# KiCad board AMLDC-2044B p3.kicad_pcb (continued)
## Routing (per net, layer and track width the routed paths; a pad name or vN(x,y) marks a point on that pad's centre or on a via; arc(x,y) is an arc through that point) (continued)
141.08,186.07 140.96,197.93 140.6,198.29 v1(140.6,199.74) ; v1(330.64,108.85) 331.13,107.41 331.2,105.56 330.82,90.05 v1(330.58,87.39) ; v1(172.28,181.72) 172.95,179.48 172.94,152.41 ; v1(132.44,335.26) 132.75,333.88 133.52,332.05 134.33,329.17 134.7,327.78 134.89,326.05 135.16,324.75 135.27,314.03 135.44,310.37 135.47,295.12 135.07,289.29 135.16,286.63 134.92,283.88 134.79,278.38 134.74,277.5 134.45,271.8 ; v1(322.65,344.27) 322.82,342.8 323.13,340.47 323.2,301.42 323.4,292.69 323.97,277.18 324.63,265.64 325.28,245.23 325.41,242.63 325.64,236.18 325.68,235.71 325.94,229.97 327.43,210.1 327.73,205.98 327.65,202.85 327.62,198.13 327.78,192.85 327.69,187.92 327.65,185.01 327.65,175.55 327.72,174.77 327.64,170.81 327.72,163.57 327.65,153.41 327.7,152.02 327.56,142.04 327.57,141.07 327.57,140.47 327.49,126.89 327.14,124.28 326.6,120.8 326.18,119.23 325.41,114.35 324.66,111.86 324.18,107.35 324.19,106.49 324.24,103.26 323.59,100.25 323.19,98.21 323.11,97.39 322.74,96.06 322.79,90.95 322.87,85.37 322.73,72.71 ; v1(404.6,293.21) 404.79,295.14 404.74,295.99 404.77,296.72 405.46,298.57 406.38,300.05 406.78,301.15 406.96,302.68 406.85,304.05 406.7,304.72 406.17,307.24 405.82,308.48 405.69,309.68 405.55,310.51 405.4,311.5 405.32,312.77 405.31,313.62 405.28,315.32 v1(405.18,316.14) ; v1(223.82,277.04) 224.06,251.29 v1(223.86,245.48) ; 138.87,328.46 138.47,331.61 137.8,333.44 136.98,336 135.81,339.23 134.8,342.88 133.77,345.21 133.33,346.97 132.62,348.78 131.88,350.8 v1(131.51,351.98) ; 333.29,70.41 333.33,70.94 333.33,72.24 333.5,74.2 333.99,76.28 334.22,77.92 v1(334.16,78.22) ; v1(177.78,195.77) 177.78,196.2 177.96,198 178.11,200.03 178.33,201.52 178.32,203.61 178.39,205.47 178.45,206.92 178.59,208.91 178.71,212.19 178.95,217.86 178.77,227.81 178.84,233.03 178.84,237.26 178.75,238.11 178.44,242.53 177.83,244.63 177.09,246.61 176.86,248.78 ; v1(406.78,296.79) 407.39,298.02 407.65,299.04 407.88,300.21 407.86,301.01 407.88,302.12 407.85,303.41 407.9,303.99 407.73,306.53 407.38,307.96 407.19,309.55 407.01,310.61 406.85,314.32 407.02,315.88 407.23,316.94 407.36,317.97 407.49,319.09 407.6,323.84 407.55,325.37 407.64,326.88 407.68,330.03 407.68,331.63 407.73,334.86 407.73,336.07 407.7,337.41 407.67,338 407.55,341.07 407.39,342.04 407.3,342.26 v1(407.02,342.66) ; 140.04,243.05 139.91,241.71 139.76,240.89 139.68,237.41 139.68,236.82 139.96,235.92 140.53,233.94 140.74,233.74 141.1,232.45 141.12,227.82 140.97,226.87 140.71,224.94 140.74,224.04 140.74,223.86 140.94,222.52 141.1,222.06 v1(142.07,221.2) ; 215.68,233.52 215.91,229.99 215.94,228.56 215.88,215.96 ; 370.25,71.01 370.16,88.28 370.16,89.43 370.13,89.6 369.95,102.65 369.91,104.99 369.57,117.12 369.57,118.55 369.52,119.15 369.5,120.07 369.46,122.78 369.48,124.65 369.66,126.63 370,128.67 370.15,135.35 370.03,138.81 369.36,142.29 368.81,144.78 368.83,150.24 368.88,150.83 368.92,152.08 369.04,157.79 369.11,159.16 369.18,162.22 369.27,162.59 369.53,163.75 369.74,164.84 369.95,165.76 370.09,166.94 370.53,170.08 370.45,175.47 370.36,175.56 370.43,177.49 370.36,183.23 v1(369.95,183.91) ; v1(335.56,94.76) 335.61,94.34 335.73,93.23 335.82,92.81 335.92,92.05 336.12,90.7 336.05,90.91 336.22,89.35 336.22,71.06 336.04,70.88 ; v1(218.29,52.75) 218.29,52.11 218.08,51.9 218.02,32.99 v1(218.08,28.72) ; v1(99.05,54.33) 98.24,54.29 98.05,54.26 97.01,55.06 96.38,56.15 95.8,57.56 95.68,58.72 95.43,59.78 95.35,61.14 95.24,61.25 95.27,62.6 95.27,63.66 95.22,65.11 95.22,66 95.37,67.06 95.52,69.65 95.61,71.32 95.69,73.69 95.7,73.95 95.6,74.61 95.28,76.96 94.5,78.36 94.09,79.26 93.13,80.64 92.18,81.69 90.79,83.15 89.59,83.95 88.73,84.65 87.69,85.23 86.92,85.72 86.04,86.23 85.67,86.37 v1(85.16,86.91) ; v1(173.04,25.48) 173.19,37.32 173.23,38.63 173.25,40.82 173.27,43.9 v1(173.46,44.09) 173.35,48.99 173.37,51.36 173.37,52.29 v1(173.43,52.34) ; v1(325.86,209.38) 326.02,208.6 326.22,207.79 326.35,198.32 326.58,192.21 326.58,181.56 326.59,181.55 326.51,142.77 326.49,141.11 326.31,135.34 326.27,134.59 326.23,134.33 326.07,131.71 326,130.47 325.94,129.58 325.96,129.68 325.88,128.98 v1(325.73,127.99) ; v1(223.62,153.78) 223.89,153.13 223.92,152.37 223.79,124.69 223.77,119.65 v1(223.72,110.7) 223.93,110.91 ; v1(183.52,306.28) 183.3,305.66 183.67,303.77 183.99,302.31 184.17,299.61 184.25,299.27 184.29,298.22 184.28,291.09 184.29,289.45 184.34,286.7 184.28,285.7 184.25,285.67 184.25,275.83 184.2,275.47 184.22,273.92 184.28,271.79 184.19,268.1 184.26,266.28 184.26,256.21 184.22,256.17 184.32,256.06 184.22,243.03 184.22,240.89 184.2,237.11 184.17,235.82 184.17,229.52 184.2,229.04 184.07,226.9 183.95,225.59 183.92,224.6 v1(183.62,222.61) ; 219.93,48.43 v1(219.89,48.46) 219.93,52.26 219.98,53.35 219.98,53.75 219.97,54.15 219.97,56.18 220.25,57.9 220.56,58.85 220.94,60.01 221.36,63.7 221.5,65.03 221.59,69.02 221.59,70.4 221.74,77.31 221.65,79.73 221.51,80.88 221.18,87.12 220.87,94.84 220.74,97.61 220.7,99.8 220.4,102.94 219.71,106.89 218.4,113.35 217.62,117.54 217.53,121.19 218.4,126.66 217.84,138.83 217.89,138.88 217.58,149.3 217.41,151.28 216.91,154.15 216.84,156.39 217,157.74 217.27,160.59 217.58,162.28 217.7,163.69 217.08,167.69 216.96,169.91 217.66,171.24 v1(218.79,173.01) ; 176.85,248.62 176.9,250.02 177.02,252.91 177.17,255.88 177.09,255.95 177.33,257.96 177.41,266.34 177.53,267.74 177.6,270.71 177.56,270.75 177.56,273.17 177.53,275.4 177.5,279.22 177.6,280.77 ; 101.8,117.18 101.82,118.66 102.38,121.12 103.04,123.31 ; 106.61,167.91 106.74,163.96 106.8,162.94 106.95,161.2 106.97,160.19 106.77,158.49 106.71,157.38 106.49,155.47 106.29,154.61 105.78,150.86 105.53,149.72 105.33,146.7 105.23,145.98 105.1,144.81 105.01,143.85 104.92,142.06 104.9,141.72 104.72,139.07 104.65,138.31 104.69,136.79 104.73,135.97 104.63,129.64 104.66,128.12 104.64,125.7 104.61,124.94 104.1,123.08 103.42,120.93 102.92,119.18 102.74,118.12 102.92,116.03 103.18,114.83 103.39,113.46 103.62,111.57 103.87,104.51 103.85,103.42 103.85,102.57 103.87,102.26 104.04,98.02 103.77,80.5 103.76,79.08 103.68,77.7 103.5,76.75 103.26,75.86 102.99,75.43 102.74,74.5 102.52,73.86 102.37,71.4 103,70.84 104.02,69.85 104.39,69.29 104.48,68.34 103.69,66.3 103.35,64.39 103.83,63.29 104.42,61.13 104.67,59.61 104.67,55.3 104.66,55.22 104.38,52.92 104.22,52.23 104.15,51.4 103.98,50.43 103.9,49.88 v1(103.81,49.19) ; v1(133.85,296.35) 133.71,295.52 133.56,294.51 133.63,287.56 133.17,276.55 132.93,270.77 132.78,267.02 132.55,261.82 132.49,259.53 132.41,256.48 133.2,252.97 132.62,250.75 132.49,245.06 132.91,239.18 133.23,231.95 133.52,229.27 134.07,220 134.27,218.16 134.4,213.67 134.49,211.34 134.75,201.2 135.27,200.59 v1(135.65,199.67) ; v1(372.38,202.72) 372.62,202.96 372.62,213.69 372.6,214.8 372.83,218.51 373.34,219.71 373.95,220.88 374.13,221.21 374.69,223.12 374.67,224.8 374.75,225.92 374.82,229.3 374.78,229.83 374.79,230.27 374.9,250.14 374.77,250.87 374.67,251.25 374.54,251.85 374.26,252.79 374.17,252.94 373.89,253.54 373.74,253.96 373.25,254.93 372.88,255.92 372.36,257.38 372.4,258.39 372.48,258.66 372.67,260.09 373.12,261.29 373.5,263.25 373.41,264.87 373.09,267.22 372.71,268.15 372.43,270.06 372.42,270.8 372.55,271.56 372.95,272.34 373.79,274.15 373.91,276.03 373.89,276.05 373.96,277.04 373.98,280.04 374.01,280.76 374,281.43 374.26,294.61 374.05,296.28 373.78,299.65 373.07,302.26 373.13,304 373.22,304.58 373.57,305.76 374.23,307.92 374.18,316.66 374.08,318.05 373.9,319.22 373.64,319.84 373.06,320.95 372.78,321.44 372.5,322.3 372.32,323.02 372.32,324.17 372.6,325.76 372.64,326.9 372.78,327.61 372.84,329.12 372.81,330.53 372.96,332.84 372.93,333.48 372.86,336.11 372.99,336.25 372.99,341.36 v1(372.92,341.43) ; v1(168.53,63.09) 168.53,63.75 169.32,65.09 169.76,66.33 170.06,67.61 169.87,70.51 169.78,71.15 169.59,73.11 170.41,76.26 170.83,77.06 171.11,77.62 171.42,78.47 171.81,80.1 171.9,86.17 171.87,89.25 171.66,97.13 171.61,99.19 171.65,106.55 171.21,108.55 170.91,109.24 169.85,112.43 169.55,113.53 169.09,116.17 169.15,121.01 169.12,122.38 169.15,126.32 169.27,129.5 169.36,131.41 ; v1(180.55,306.52) 180.75,303.35 180.81,302.47 181,299.82 181.1,298.87 181.24,287.9 181.16,286.3 181.05,282.64 180.93,280.82 180.49,277.09 180.57,276.13 180.98,273.65 181.4,272.38 181.73,268.75 181.82,267.25 182.1,254.77 182.14,252.6 182.02,249.4 v1(182.27,249.15) ; v1(131.71,287.46) 131.95,285.79 132.04,284.48 132.08,280.28 132.16,274.37 131.89,268.97 131.85,268.32 131.81,267.61 131.62,264.26 131.6,264.12 131.56,260.57 131.51,258.02 131.41,256.02 131.48,255.05 131.84,253.03 131.95,251.53 131.3,249.47 130.62,248.6 v1(130.37,248.01) ; v1(335.76,203.27) 335.55,204.44 335.45,204.91 335.36,205.19 335.51,235.45 335.24,247.53 335.55,250.79 335.87,251.49 336.04,252.71 336.18,253.06 336.29,254.37 336.39,254.79 336.54,255.5 336.75,256.41 336.88,257.17 336.99,258.27 336.99,258.89 337.2,269.64 336.94,271.1 336.75,273.23 336.56,273.92 336.35,276.28 336.1,277.48 v1(336.02,277.95) ; v1(216.39,127.53) 216.46,127.59 216.46,136.91 216.47,140.03 216.63,145.14 216.7,145.82 216.49,148.99 216.52,149.49 216.2,151.6 216.01,154.11 215.89,156.15 216.06,161.49 215.94,164.73 215.88,173.1 ; 180.91,114.82 180.6,126.74 180.35,128.04 180.22,139.64 180.39,140.79 180.73,145.25 180.86,147.04 181.11,148.77 181.35,150.56 181.5,152.09 181.75,152.99 182.01,154.82 182.14,155.46 v1(182.27,156.47) ; 130.75,313.09 130.32,312.44 130.15,308.51 130.32,304.47 130.4,302.11 130.5,295.1 130.35,293.16 130.23,289.55 129.96,288.46 129.7,285.34 129.78,284.68 130.1,283.02 v1(130.3,282.18) ; 130.75,313.09 131.6,313.93 v1(131.71,313.93) ; 130.75,313.09 130.88,313.28 ; v1(286.5,280.77) 286.3,279.25 286.39,270.91 286.66,253.43 286.12,249.94 285.87,248.1 286.44,244.62 v1(286.44,243.93) ; 324.31,72.88 324.44,72.75 ; v1(142.27,224.41) 142.42,226.74 142.21,232.84 141.81,234.14 141.14,235.83 140.71,237.65 140.87,238.56 141.6,240.84 v1(142.07,241.66) ; v1(367.03,344.04) 367.01,344.03 367.14,343.25 366.88,341.47 366.67,339.71 366.58,339.2 366.48,338.19 366.35,337.6 366.24,336.55 366.19,335.65 366.16,335.39 366.12,333.7 366.04,332.89 365.96,332.34 365.89,331.13 365.86,330.98 365.59,328.42 365.42,327.14 365.13,325.12 364.91,323.76 364.75,322.03 364.65,321.14 364.51,320.3 364.48,319.54 364.45,318.71 364.39,317.84 364.27,314.79 364.25,313.78 364.11,310.37 364.11,308.59 364.18,305.43 364.16,304.86 364.26,303.88 364.24,302.93 364.37,300.38 364.19,299.81 v1(364.19,299.68) 364.2,298.95 363.8,296.2 363.66,295.44 363.63,294 363.64,293.1 363.64,291.56 363.69,290.53 363.65,288.94 364.02,286.49 364.35,285.01 364.63,283.36 364.73,282.56 364.73,281.65 364.78,280.93 364.72,280.51 364.62,279.92 364.12,279 363.72,278.44 363.29,278.01 v1(363.29,277.95) 363.33,275.59 363.23,271.98 362.96,262.76 362.91,261.87 362.88,256.28 362.91,255.48 362.92,254.02 363.01,252.9 362.99,252.68 363.02,251.9 363.08,251.37 363.32,249.64 363.5,248.3 363.74,247.25 363.96,246.42 363.92,246.38 v1(363.92,245.91) ; v1(82.92,88.8) 83.07,88.95 86.09,88.69 86.47,88.59 87.74,87.86 88.68,87.24 89.77,86.38 91.45,84.69 92.96,82.82 93.78,81.64 94.61,80.15 95.55,78.35 96.48,76.49 96.55,75.19 96.47,72.55 96.25,63.98 96.25,61.56 96.41,59.86 ; 102.46,128.99 102.15,124.27 101.71,122.42 100.9,119.38 100.87,116.43 101.05,115.22 ; 104.52,116.77 104.65,114.56 104.75,113.01 104.91,103.4 104.91,101.29 104.94,80.14 104.89,79.06 104.92,78.42 104.85,77.7 104.7,75.65 104.34,72.75 v1(103.99,72.4) ; v1(410.78,346.48) 411.56,345.39 411.46,328.46 411.47,326.55 411.34,320.59 411.4,319.58 411.35,315.56 411.32,311.93 411.3,308.66 411.27,307.32 411.15,300.46 411.14,299.93 411.19,299.13 411.06,293.49 410.92,291.84 410.67,291.12 410.31,287.56 410.23,284.83 410.05,278.45 410.07,276.29 410.18,275.15 410.23,274.41 410.46,272.82 410.6,272.04 410.94,269.53 411.14,267.44 411.34,265.14 411.26,262.89 411.18,262.09 411.14,261.31 410.9,260.1 410.57,258.13 ; v1(318.62,246.19) 318.43,229.26 v1(318.55,227.19) ; v1(410.28,246.03) 410.18,247.61 409.94,249.58 409.83,250.62 409.89,251.55 409.89,251.79 409.84,251.64 409.93,254.26 410.11,255.59 410.38,257.08 410.58,258.18 ; v1(182.24,232.78) 182.24,243.95 v1(182.17,244.02) ; v1(401.86,262.67) 401.86,263.44 401.5,264.74 401.46,265.23 401.28,266.17 401.01,270.84 401.12,273.37 ; v1(338.37,322.55) 338.37,320.58 338.39,320.56 338.16,312.99 338.21,311.73 337.77,301.91 337.79,299.47 v1(337.49,294.16) 337.84,292.71 338.06,291.58 338.12,290.84 338.33,289.93 338.46,289.07 338.57,287.87 338.6,284.56 338.57,283.54 338.57,269.39 338.54,269.35 338.57,269.31 338.48,254.88 338.48,253.33 v1(338.22,252.5) 338.64,251.38 338.75,247.97 338.62,242.62 338.5,241.48 338.41,238.14 338.42,236.89 338.3,235.91 v1(338.15,234.83) ; v1(251.51,264.56) 251.85,265.77 252.4,268.33 252.57,271.89 252.71,273.59 252.98,278.71 253.54,284.09 253.46,287.63 252.52,292.08 252.18,297.99 252.18,301.65 252.3,305.98 253.39,310.82 253.03,314.15 251.25,319.32 251.16,329.87 251.21,329.92 251.02,331.39 250.95,337.87 250.9,337.92 250.9,345.66 250.98,347.83 251.4,352.45 251.93,353.78 v1(252.69,354.64) ; 365.72,288.61 365.68,290.61 365.6,292.66 365.79,294.54 365.84,294.99 365.91,295.4 365.99,295.93 366.03,296.23 366.21,297.36 366.3,298.23 366.33,298.77 366.4,299.39 366.37,300.33 366.37,301.25 366.31,302.98 366.3,303.88 366.28,304.53 366.19,305.99 366.21,306.7 366.17,307.72 366.28,309.42 366.33,310.11 ; v1(82.11,288) 82.37,290.3 82.52,290.95 82.93,293.32 83.41,294.66 84.25,297.24 85.41,299.66 86.96,303.71 87.87,304.92 ; v1(99.01,56.76) 97.45,57.81 96.62,59.31 96.41,60.01 96.41,59.74 ; v1(334.1,81.08) 333.9,81.77 333.65,83.3 333.5,84.97 333.31,85.96 333.19,88.69 333.22,88.72 333.11,96.25 333.62,97.75 333.96,98.9 334.41,99.76 334.69,100.84 334.81,101.59 334.81,104.7 334.66,105.58 334.63,106.21 334.48,106.97 334.36,108.18 334.2,108.85 v1(333.96,109.65) ; v1(337.09,167.39) 336.67,166.34 336.34,165.61 335.81,164.66 334.59,162.75 334.32,162.19 334.09,161.21 334.33,159.47 334.66,158.52 334.86,157.91 335.28,156.46 335.43,155.67 335.63,154.85 335.68,151.38 335.95,149.67 336.26,148.08 336.61,146.24 337.06,143.67 337.4,142.27 337.85,137.95 337.82,135.91 337.99,135.2 337.93,135.14 338.01,133.57 338.25,129.28 338.33,127.27 338.31,125.97 338.38,124.67 338.43,122.81 338.45,120.64 338.25,117.41 337.59,116.05 336.97,114.12 v1(336.76,113.9) ; v1(291.75,150.43) 291.27,149.2 291.16,148.21 291.31,146.88 291.27,144.87 291.6,140.7 292.03,129.66 292.69,98.91 292.75,75.47 292.68,70.23 292.58,18.55 292.54,15.75 292.42,14.73 292.23,13.63 292.2,13.03 v1(291.65,11.73) 291.65,11.71 ; 135.29,255.21 134.93,257.42 134.8,259.32 134.93,260.76 135.07,263.98 135.18,265.68 135.31,269.72 135.43,271.57 135.71,276.49 135.74,278.87 136.04,285.49 136.08,287.84 136.27,291.44 136.33,294.76 136.33,323.24 136.18,323.77 135.78,327.38 135.03,331.41 134.53,334.34 134.54,334.69 133.73,337.75 133,340.17 132.79,341.37 v1(132.64,341.95) ; 135.29,255.21 135.3,253.82 134.76,251.67 134.7,243.63 134.97,238.45 ; 135.29,255.21 135.29,253.66 ; 325.95,93.24 325.84,92.07 325.84,70.75 ; 325.95,93.24 325.91,92.13 ; 325.95,93.24 326.29,103.03 326.27,106.36 326.36,107.64 326.52,108.96 326.82,111.01 327,111.7 327.41,114.16 327.76,115.91 327.96,116.9 328.51,119.02 328.75,120.65 328.96,121.5 329.27,122.53 329.42,123.6 329.81,125.45 329.78,126.25 329.78,127.01 329.88,128.53 329.97,143.21 330.01,148.67 329.97,162.76 330.01,167.21 329.94,175.98 329.95,177.58 330.1,190.51 329.97,190.64 329.97,199.92 329.87,200.02 329.87,209.04 329.78,209.14 329.78,214.71 329.71,215.77 329.62,219.84 v1(329.38,220.08) ; v1(82.48,53.11) 83.06,53.11 83.69,52.89 84.34,52.71 85.72,52.25 86.54,52.03 86.35,52.02 87.69,51.9 89.08,52.34 89.78,52.88 90.72,53.91 90.35,57.15 90.24,57.76 90.03,59.41 89.94,60.55 89.8,62.87 89.96,64.97 90.22,68.15 90.41,70.67 90.56,72.25 90.36,73.49 89.74,74.22 88.93,74.5 v1(88.93,74.52) ; v1(332.1,283.6) 332.63,307.77 332.59,336.24 332.19,336.64 v1(332.19,337.13) ; v1(287.7,326.56) 286.38,323.59 285.79,322.01 285.1,319.6 284.87,307.78 284.82,306.44 284.82,297.13 284.93,296.83 285.14,294.7 286.43,289.38 287.16,285.96 ; v1(139.23,18.58) 138.68,20.05 138.62,21.5 138.52,22.12 138.54,22.51 138.49,23.32 138.65,59.08 138.53,63.41 138.03,67.23 138.42,73.13 138.42,75.88 138.47,77.38 138.57,79.47 138.53,79.51 138.55,80.44 138.61,81.1 138.61,82.21 138.49,84.68 138.33,88.49 138.37,88.53 138.2,90.18 138.03,93.79 138.12,97.09 138.2,101.76 138.27,101.83 138.25,101.85 138.25,107.94 v1(138.33,108.01) 138.22,109.89 138.08,111.21 137.87,113.35 137.72,114.37 137.68,116.13 137.66,116.15 137.66,122.93 137.8,125.04 137.94,127.09 138.49,132.66 138.49,132.45 ; 289.21,68.86 v1(289.35,69.03) 289.57,80.86 289.16,114.42 289.16,114.89 v1(288.72,115.33) ; 212.97,301.61 213.02,301.31 213.02,304.76 212.42,312.45 212.32,315.76 212.32,317.71 212.51,321.07 212.6,322.46 212.67,323.57 212.9,324.64 213.02,328.04 213,329.48 213.04,333.3 212.9,334.95 212.79,337.52 212.72,340.69 212.81,344.12 212.88,344.19 212.93,347.41 213.02,348.38 213.32,351.67 v1(213.48,352.38) ; v1(171.03,165.35) 170.72,166.97 170.52,168.11 170.37,169.14 170.17,170.37 170.17,181.45 170.19,183.04 170.49,191.33 170.46,191.36 170.46,197.43 170.21,197.68 170.21,217.26 170.25,217.31 170.11,238.46 171.46,246.16 171.24,247.61 170.86,248.47 170.5,250.12 170.31,251.78 170.16,252.92 170.21,252.96 170.21,266.33 170.15,267 170.12,267.49 170.07,275.07 170.07,282.4 170.29,283.8 v1(170.93,284.94) ; 408.9,187.01 408.78,185.26 408.73,184.26 408.67,183.36 v1(408.75,182.46) ; v1(103.69,321.77) 103.77,320.7 104.34,316.33 104.49,315.38 104.97,313.54 105.36,311.95 105.72,309.69 105.63,306.75 104.92,303.69 103.82,302.16 103.21,301.23 102.66,300.42 101.42,298.74 101.3,298.54 100.6,297.38 100.27,294.63 99.9,292.4 99.61,289.94 99.37,289.09 98.54,286.13 97.58,283.9 97.1,281.42 97.44,278.94 98.32,277.46 98.65,275.51 98.16,272 97.57,270.64 97.4,269.35 97.28,268.54 97.28,266.46 97.85,264.57 99.28,262.36 99.89,261.69 100.91,260.23 101.87,257.81 102.46,254.64 102.5,253.44 102.56,249.58 103.19,246.3 102.94,243.11 102.73,242.22 ; 371.74,71.19 371.68,95.5 371.77,109.13 372,117.92 372.17,119.26 372.32,120.97 372.5,122.6 372.64,123.68 372.9,139.37 372.18,141.24 371.63,142.97 371.2,144.1 371.03,145.03 370.8,146.33 370.73,147.71 370.8,148.9 370.84,149.87 371.04,155.21 371.1,160.82 371.35,163.36 371.88,165.31 372.05,167.46 372.26,169.24 372.33,190.58 372.4,195.53 372.28,197.46 372.27,198.37 371.53,199.95 371.22,200.63 370.34,202.2 370.28,203.87 370.32,204.34 370.45,205.8 370.54,206.55 370.78,207.86 370.84,208.42 370.88,209.14 370.79,213.65 370.88,218.45 371.32,219.62 371.73,220.82 372.4,222.91 372.46,224.95 371.95,226.62 371.56,227.5 371.13,228.17 370.8,229.05 370.57,229.74 370.73,230.45 370.89,231.07 371.18,231.75 371.31,232.22 371.6,232.91 371.74,234.74 371.54,249.48 371.32,250.7 371.3,251.15 371.09,251.67 370.97,252.1 370.83,252.61 370.55,253.68 370.15,254.56 370.08,255.02 369.79,255.79 369.59,257.09 369.66,258.58 369.66,259.33 369.6,259.39 369.81,260.21 369.98,260.72 370.14,261.65 370.49,263.19 370.48,263.88 370.54,264.88 370.46,265.35 370.35,266.01 370.05,267.03 369.88,268 369.58,268.93 369.39,271.09 369.47,273.27 369.64,275.58 369.77,276.33 370,277.32 370.79,279.03 371,279.8 371.18,280.41 371.33,282.04 371.28,282.94 371.23,283.73 370.98,285.53 370.73,287.7 370.74,288.45 370.78,289.21 370.78,289.68 370.78,289.96 370.83,290.62 370.78,291.98 370.91,293.43 371.01,295.91 371.01,296.57 371.11,297.58 371.28,298.77 ; v1(169.72,47.81) 169.35,47.81 168.4,48.86 168,50.42 167.92,51.22 168,56.31 168.43,59.73 168.24,60.4 v1(168.47,60.63) ; v1(175.45,320.6) 174.88,320.03 174.7,310.78 173.89,309 173.13,306.98 172.87,305.45 172.72,304.28 172.72,302.54 172.58,301.04 172.77,296.31 173.22,293.24 173.71,286.43 ; 324.05,114.64 324.02,114.66 ; 324.02,114.66 323.88,113.22 323.58,111.7 323.18,110.32 322.79,108.88 322.68,108.27 322.26,105.54 v1(322.47,105.2) ; 281.45,199.18 281.45,201.16 281.48,201.19 v1(281.48,203.27) 281.43,204.39 v1(281.65,221.17) 282.53,224.67 ; v1(217.55,246.71) 217.11,247.15 217.11,275.45 217.52,275.85 217.39,275.98 v1(217.39,278.48) ; 331.38,340.27 331.16,340.49 v1(331.16,355.42) ; v1(82.15,275.01) 83.46,276.32 84.25,277.62 85.29,279.77 86.19,281.5 86.91,282.49 87.89,283.88 88.79,284.74 88.82,284.74 89.66,285.84 v1(91.4,287.28) ; 335.96,108.92 335.8,109.74 335.43,110.47 335.09,111.48 334.68,112.34 334.68,112.94 334.86,114.18 335.08,114.99 v1(335.43,116.49) ; 290.54,14.55 290.64,17.76 290.79,19.52 290.97,21.91 ; v1(287.53,112.88) 287.26,113.15 287.44,125.11 ; v1(320.94,243.6) 320.67,241.96 320.68,234.99 320.65,233.94 320.57,230.93 320.51,228.77 320.24,223.43 320.14,221.7 320.08,221.01 319.91,218.48 319.55,211.65 319.4,209.17 319.4,204.39 319.82,197.18 319.82,195.4 320.04,194.24 320.18,192.96 320.68,189.26 320.94,186.01 321.2,183.57 321.31,181.92 321.43,179.3 321.48,177.99 321.61,175.99 321.87,162.77 322.17,146.15 322.01,139.88 321.98,136.97 321.67,133.37 321.47,132.11 321.06,130.63 320.94,129.74 320.81,128.94 320.76,128.05 320.57,127.25 320.24,123.76 320.09,119.72 v1(319.94,115.43) ; 178.52,21.57 178.5,21.58 ; 178.5,21.58 178.5,24.85 178.51,26.34 178.23,29.09 178.04,30.79 177.83,42.14 177.7,47.85 177.47,51.26 177.27,52.59 177.14,53.48 176.76,57.11 176.79,58.76 176.84,59.7 176.85,60.1 177.41,63.57 177.5,64.83 177.58,65.4 177.57,65.41 177.69,68.51 178.1,74.5 178.03,77.27 178.09,78.45 178.11,79.6 177.86,89.76 178.04,98.42 178.05,98.44 178.05,101.95 178.12,104.54 178.46,114.15 178.72,116.58 178.67,116.62 178.79,118.63 178.59,120.73 178.33,123.3 178.02,128.58 178.05,135.07 178.12,136.1 178.32,143.28 178.43,144.97 178.51,148.02 178.77,149.52 178.87,151.84 179.18,153.28 179.23,154.19 179.39,155.61 179.13,157.77 179.03,159.2 179.08,160.15 179.28,160.77 179.81,161.3 v1(179.81,161.43) ; 178.5,21.58 178.24,19.9 177.82,17.05 177.37,15.04 176.73,12.88 176.35,12.18 v1(176.09,10.98) ; v1(290.38,224.6) 289.92,225.05 289.82,229.12 289.78,229.88 289.85,231.31 289.86,234.59 289.97,236.07 290.06,236.86 290.2,238.05 290.76,240.93 291.05,242.92 291.49,247.84 291.61,249.21 291.86,252.24 291.87,255.98 291.99,256.86 291.79,257.96 291.04,260.7 290.48,262.7 290.48,263.15 289.88,264.44 289.68,269.23 289.77,272.01 289.75,273.76 289.83,293.19 289.91,295.38 v1(290.26,296.22) ; v1(366.71,312.86) 366.36,311.47 366.33,309.97 ; 87.8,304.82 89.17,306.2 89.62,306.33 90.29,306.39 91.65,306.06 92.85,304.99 ; v1(168.93,45.41) 168.83,45.31 v1(168.83,38.27) 168.83,38.15 ; 252.32,25.59 252.28,30.28 252.16,33.13 252.03,72.88 252.07,72.92 252.13,77.57 251.23,109.18 251.27,111.36 v1(251.67,112.51) 253.29,119.49 253.09,123.67 253.22,126.92 253.53,128.65 253.69,136.9 253,140.33 252.82,142.53 252.98,145.73 252.87,154.67 v1(252.74,156.28) ; 134.96,238.68 134.97,237.47 135.32,232.7 135.45,231.41 135.74,227.83 135.85,226.22 136.24,220.58 136.83,214.78 137.32,206.2 v1(137.46,204.22) ; 99.61,277.43 98.08,280.17 98.5,282.19 99.13,283.77 99.87,285.14 100.35,285.91 v1(100.66,286.76) ; 130.97,143.14 130.99,140.36 130.95,136.41 130.95,132.04 130.91,132 130.73,125.34 130.63,120.51 130.59,109.12 130.77,102.65 131.03,100.07 131.07,98.31 131.41,93.27 131.84,90.75 131.9,89.06 132.75,83.9 132.96,82.42 133.21,81.22 132.87,68.73 v1(132.85,63.82) ; 217.92,78.14 217.84,78.22 v1(217.84,78.34) 217.72,78.34 217.36,78.7 217.48,81.37 216.82,92.5 216.75,95.37 216.64,98.03 215.58,110.17 215.39,112.09 215.23,115.36 214.57,121.8 214.37,126.76 214.44,128.58 214.49,130.52 214.77,136.36 214.92,139.13 215.53,144.92 ; v1(368.47,261.39) 368.69,261.74 369.48,263.7 369.6,264.64 369.52,265.48 369.48,265.77 369.21,267.15 368.8,268.35 368.66,269.82 368.61,270.56 368.61,270.89 368.61,275.69 368.82,276.32 368.95,276.76 369.17,277.52 369.67,278.92 370.46,281.57 370.39,282.53 370.34,283.3 370.11,284.91 369.95,285.71 369.87,286.79 369.82,287.92 370.03,295.49 370.15,297.94 370.39,299.93 370.49,300.49 370.73,301.45 371.04,302.85 371.46,305.19 371.67,306.21 371.95,307.7 372.15,308.82 372.35,312.53 372.35,313.9 372.24,314.81 372.18,316.09 372.05,316.77 371.35,318.27 v1(370.81,318.76) ; 329.28,70.3 329.04,76.07 328.84,81.07 328.82,83 328.78,87.75 328.81,89.01 329.02,94.91 329.12,96.16 329.31,102.62 329.34,102.65 329.34,106.48 v1(329.51,106.66) ; v1(139.4,262.05) 139.59,261.86 139.59,256.82 139.22,253.98 138.66,250.76 138.71,247.62 139.07,244.61 139.03,243.66 139.03,241.92 138.77,240.54 138.66,236.83 139.16,235.08 139.75,232.86 139.91,231.57 140.03,231.07 140.05,229.51 140.06,227.84 140.1,227.11 139.89,225.37 139.82,223.66 139.99,221.56 140.23,220.48 140.4,219.75 v1(142,217.39) ; v1(410.8,146.85) 410.96,151.18 411.19,188.18 411.26,188.24 411.26,196.17 411.36,200.02 v1(411.5,209.88) 411.56,211.08 411.71,218.69 411.68,218.72 411.68,230.03 411.85,239.34 411.71,253.98 411.45,254.24 v1(411.45,254.86) ; v1(372.52,275.47) 372.16,274.28 371.98,273.7 371.86,273.23 371.49,272.01 371.29,270.25 371.69,268.2 372.16,266.94 372.54,265.36 372.55,263.74 372.23,262.28 371.74,261 371.62,260.29 371.49,259.67 371.35,258.33 371.56,256.52 371.72,255.86 372.35,254.31 372.83,253.01 373.27,252.06 373.64,250.32 373.79,249.33 373.76,225.1 373.63,224.16 373.58,223.52 373.44,222.54 373.09,221.61 372.43,220.17 372.13,219.18 371.74,217.16 371.69,207.87 371.64,207.53 371.53,206.95 371.26,204.65 371.15,203.71 371.18,202.65 371.39,202.16 371.7,201.36 372.08,200.92 372.32,200.56 372.52,200.06 373.19,198.69 373.33,168.06 373,165.37 372.54,163.9 372.12,162.36 372.03,157.47 372.09,156.02 372.29,155.63 372.35,155.17 372.44,154.5 372.79,152.52 372.59,148.64 372.56,148.24 372.51,145.61 v1(372.38,145.49) ; 103.57,142.4 103.84,145.09 104.23,147.63 104.93,152.02 104.9,153.03 104.83,155.55 104.77,156.5 104.44,159.91 104.32,161 103.96,165.16 103.86,166.24 103.76,170.92 104.01,172.08 104.01,172.28 104.36,173.71 104.33,174.31 104.73,175.05 104.94,177.56 105.04,179.16 105.48,181.79 105.52,182.15 105.99,185.4 106.12,186.26 106.61,188.95 106.81,190.45 107.25,193.27 107.25,193.48 107.45,196.01 107.65,197.7 107.75,199.57 107.74,200.74 107.83,211.75 107.85,212.21 107.54,215.06 107.21,216.05 106.86,217.23 105.2,219.88 103.96,222.15 103.47,224.27 103.59,227.66 103.54,228.48 103.54,237.99 103.49,238.92 103.7,242.51 104.27,244.07 104.27,246.33 104.18,247.95 103.86,249.01 103.57,250.42 103.56,250.75 103.44,253.49 103.47,253.53 103.32,255.43 103.32,256.06 102.81,258.81 102.55,259.48 101.08,261.84 99.81,263.38 99.31,263.95 98.25,265.97 98.14,267.12 98.54,268.48 99.05,269.45 99.39,270.23 100.36,272.7 100.84,274.12 100.58,275.46 100.13,276.7 99.48,277.65 ; 211.4,61.62 211.4,61.63 v1(211.39,61.64) 211.4,61.65 211.4,62.46 211.5,62.57 211.71,63.42 211.68,63.63 211.92,64.63 212.11,65.7 212.39,67.47 212.6,68.61 212.9,71.11 213.07,72.49 213.08,79.52 213.07,80.88 213.11,87.1 213.02,91.39 213.07,92.36 213.03,93.47 213.07,96.75 213.09,98.06 212.79,112.13 212.93,115.58 ; 139.95,154.97 139.66,152.61 139.33,150.29 139.37,150.25 139.26,145.91 139.17,142.54 138.85,136.36 138.72,135.49 138.49,132.06 ; v1(362.84,137.93) 362.65,138.75 362.43,140.24 362.42,143.96 362.46,146.29 362.53,148.3 362.62,150.88 362.63,152.2 362.7,155.24 363.15,162.56 363.25,164.86 v1(363.25,167.04) ; v1(289.75,171.33) 289.75,171.82 289.78,172.53 289.61,173.47 289.34,176.92 289.35,178.36 289.38,179.15 289.3,185.41 289.7,187.85 289.99,189.03 290.25,190.14 290.59,191.53 291.16,193.12 291.7,195.22 292.49,197.54 292.89,198.82 v1(292.98,199.99) ; v1(208.73,175.41) 208.54,175.6 208.9,176.3 208.43,250.05 208.42,297.06 208.51,299.89 208.57,301.37 208.63,302.19 209.35,303.96 210.07,305.68 210.54,307.62 210.67,309.22 211.2,313.28 211.26,315.66 211.43,318.41 211.45,320.16 211.82,326.9 211.86,327.7 211.93,327.81 211.93,333.94 211.8,334.78 211.62,342.92 211.68,346.06 211.54,355.58 v1(211.89,355.93) ; v1(143.65,164.93) 143.55,164.66 143.7,163.77 144.06,161.51 143.91,151.74 143.89,147.32 143.99,145.48 143.96,142.89 143.94,139.04 143.84,133.52 143.86,127.84 143.78,119.05 143.63,114.14 143.55,113.41 143.35,112.44 142.97,111.07 142.32,109.47 142,108.68 141.57,107.9 140.74,105.44 140.58,96.51 140.64,95.09 140.47,84.83 140.64,80.38 140.61,79.46 140.63,78.93 140.69,77.64 140.58,73.81 141.19,70.13 141.22,68.54 141.17,68.04 141.12,66.88 140.87,64.29 140.87,46.9 140.92,46.77 141.6,44.81 142.33,43.4 142.27,25.83 142.28,24.07 142.62,22.26 v1(143.17,21.16) ; v1(96.24,235.04) 96.03,235.04 95.03,234.72 94.4,234.48 93.49,234.25 93.18,234.09 91.86,233.5 91.25,232.94 90.58,232.28 89.69,231.24 v1(89.69,231.16) ; 172.94,152.52 172.95,151.9 172.82,149.27 172.8,146.3 172.52,142.73 172.19,140.9 171.89,139.7 171.4,137.34 170.63,133.22 170.59,130.56 170.29,122.9 170.29,121.58 170.31,119.71 171.1,117.13 v1(171.1,116.81) 171.2,115.3 171.55,113.31 171.93,110.91 172.64,108.52 172.76,98.58 172.74,98.56 172.87,92.1 172.97,91.15 172.97,79.57 172.97,79.24 172.8,78.72 171.82,76.07 171.35,75.02 170.88,73.97 170.79,72.69 170.82,71.07 170.94,70.19 171.09,69.42 171.4,67.84 171.4,67.62 171.14,64.37 170.78,61.25 170.48,59.91 170.27,58.24 170.12,56.91 170.05,56.05 169.86,54.85 169.75,53.06 v1(169.65,50.6) ; 177.53,280.43 177.76,282.69 177.8,285.76 177.78,285.73 177.76,288.49 ; v1(217.55,16.01) 217.55,-6.93 ; 213.02,301.38 212.72,299.38 212.32,297.62 211.79,293.27 v1(211.77,291.25) 211.81,291.2 211.81,276.68 211.7,255.53 211.65,254.6 211.61,250.36 211.42,248.62 211.58,219.43 211.56,218.2 211.67,210.47 v1(212.05,197.75) ; v1(363.07,333.83) 363.12,334.33 363,335.92 362.83,336.7 362.72,340.07 362.72,340.86 362.72,344.03 362.69,344.26 362.76,344.93 362.89,345.62 v1(363.11,346.56) ; 215.89,216.14 215.48,208.45 215.45,207.65 215.23,200.82 215.19,199.57 214.96,196.07 214.89,194.81 214.55,190.38 214.42,188.95 214.12,185.47 v1(213.84,184.11) ; v1(105.87,171.88) 106.32,170.26 106.62,167.61 ; v1(364.06,143.24) 364.15,142.85 364.18,140.55 364.24,139.18 364.23,130.77 364.27,129.83 364.23,120.87 364.22,118.81 364.25,117.87 364.34,109.43 364.32,109.42 364.32,103.53 364.28,100.01 364.35,97.25 364.36,94.88 364.46,91.45 364.43,90.66 364.54,87.29 364.59,86.47 364.61,85.7 364.64,84.52 v1(364.78,75.7) ; v1(105.09,26.37) 105.1,28.6 105.16,30.31 105.24,31.55 105.51,38.67 105.47,41.11 105.61,48.88 105.68,55.15 105.58,64.94 105.24,65.28 v1(105.24,65.75) 105.77,68.22 105.75,79.21 105.88,83.81 105.94,99.84 105.94,103.59 105.96,103.61 105.96,106.2 106.01,106.26 106.01,111.03 105.99,111.05 105.99,114.63 105.96,114.66 105.92,117.37 105.88,118.07 105.88,120.23 105.88,120.87 105.84,136.84 105.81,137.77 105.94,139.95 105.97,140.87 106.24,145.75 106.4,146.66 106.37,147.89 106.48,148.64 106.64,149.91 106.87,150.91 106.93,152.45 107.08,153.21 ; 371.24,298.2 371.41,299.89 371.63,301.2 372.07,303.07 372.05,303.09 372.2,303.67 372.34,304.66 372.61,305.63 372.97,307.15 373.22,308.8 373.29,314.16 373.25,314.59 373.18,316.59 372.99,318.04 372.62,319.13 372.23,319.94 371.79,321.18 371.29,322.63 371.25,323.07 370.87,325.23 v1(370.76,326.18) ; 103.45,136.43 103.52,128.87 103.55,127.82 103.3,124.33 102.96,123 ; v1(365.59,352.91) 366.32,353.16 367.33,353.14 370.68,353 v1(371.84,353) ; v1(287.58,200.93) 287.5,199.82 286.74,191.46 286.47,187.21 286.22,176.4 286.26,167.83 286.38,98.24 286.3,92.04 286.49,75.67 286.36,72.62 286.21,59.83 286.23,53.64 v1(286.72,51.54) 286.72,51.5 ; v1(223.82,225.17) 223.94,227.65 224.13,240.89 223.61,242.06 223.02,243.42 222.4,244.65 222.34,245.89 222.31,245.92 222.31,252.52 222.4,252.61 222.4,259.71 222.28,261.93 222.12,283.16 222.12,284.7 222.28,288.68 222.25,289.87 222.38,290.91 222.4,292.01 v1(222.5,293.96) 222.53,293.98 222.81,297.23 223.02,298.31 222.7,300.91 222.21,303.14 221.14,305.39 220.46,306.49 219.93,307.55 219.84,317.47 219.75,318.96 220.17,326.43 220.28,328.23 220.32,329.58 220.61,330.88 220.33,334.77 v1(220.3,336.18) ; 102.46,128.73 102.33,132.64 102.11,137.42 101.58,138.83 101.24,140.74 101.38,141.85 v1(101.64,142.9) 101.78,143.05 102.07,144.36 102.41,145.34 102.96,147.74 103.18,148.1 103.65,151.06 103.7,151.42 103.66,153.59 103.65,154.11 103.45,156.81 103.42,157.83 103.33,159.34 103.26,159.52 102.94,161.93 102.87,162.93 102.7,165.37 102.69,165.93 102.49,168.21 102.42,169.31 102.44,170.72 102.5,171.78 103.06,173.89 103.53,175.2 103.92,179.17 104,179.68 104.69,183.09 104.86,184.03 105.11,185.77 105.83,189.86 106.22,192.93 106.37,194.17 106.55,197.68 106.62,198.88 106.79,211.87 106.83,212.37 106.57,215.36 104.85,218.79 103.98,220.03 102.8,222.68 102.61,223.95 102.53,224.81 102.51,240.02 102.49,240.12 102.6,241.62 102.76,242.37 ; v1(82.18,278.19) 82.77,279.47 84.05,281.18 84.62,282.11 85.71,283.58 87.31,286.14 87.94,287.74 88.35,289.81 88.67,290.84 89.5,293.36 89.65,293.73 90.17,294.31 91.03,295.39 v1(92.5,296.32) ; 406.84,153.24 406.82,151.92 406.63,145.63 406.69,142.93 406.58,138.86 406.6,136.36 406.44,133.98 406.47,130.91 406.35,122.7 406.35,119.39 406.28,109.6 406.27,106.55 406.2,103.29 406.31,100.77 406.17,98.65 406.12,96.14 406.06,85.93 406.11,82.34 406.01,73.91 406.02,71.68 ; 403.45,71.43 403.46,73.63 403.88,132.17 403.87,135.62 403.97,144.42 403.94,145.53 404.02,156.7 404.09,165.9 404.09,174.83 404.09,177.4 404.12,181.06 404.12,183.53 404.05,187.04 404.12,188.43 404.42,192.61 404.66,195.08 404.64,202.63 404.59,204.02 404.47,205.49 404.2,206.11 v1(403.98,206.52) ; v1(91.74,299.27) 90.69,298.09 90.08,297.14 89,295.63 88.51,293.79 87.31,291.36 86.48,289.42 85.62,287.58 84.55,285.42 82.19,281.87 v1(82.19,281.86) ; v1(221.18,114.36) 221.18,114.94 221.62,115.38 221.5,126.5 221.45,127.88 221.43,129.24 221.4,136.14 221.31,137.47 221.23,138.03 221.21,150.65 220.97,151.45 221.11,154.73 221.01,156.53 220.82,163.91 ; v1(393.57,295.35) 392.71,296.21 391.71,296.57 390.74,297.11 390.34,297.26 389.48,297.67 388.91,297.92 387.72,298.57 387.07,298.72 v1(386.59,298.74) ; 135.3,191.71 135.18,190.48 135.14,188.58 ; v1(287.9,53.78) 288.6,52.92 289.21,50.67 289.12,49.63 288.89,48.72 288.85,47.82 288.47,44.66 288.27,43.03 288.41,34.8 288.45,21.94 288.45,15.2 288.65,6.22 288.87,2.26 v1(289.12,0.42) ; v1(222.46,310.28) 222.46,311.33 222.26,312.18 222.19,324.69 222.34,325.4 222.69,327.5 222.97,328.18 v1(223.34,329.35) ; 172.52,246.24 172.58,247.71 172.41,250.18 v1(172.14,252.97) ; 180.32,233.38 180.32,232.79 180.36,225.54 180.26,220.88 180.08,206.57 180.11,204.88 179.94,195.77 180.06,193.88 179.98,185.79 179.77,182.09 179.35,179.39 179.18,176.77 ; v1(365.36,179.1) 365.82,180.54 366.04,182.35 366.22,183.74 366.51,185.13 366.54,186.01 366.72,186.66 366.85,188.01 367.03,189.04 367.29,191.86 367.38,195.11 367.4,195.88 367.26,201.89 367.22,202.13 367.2,202.8 367.04,205.89 366.96,206.88 366.81,214.24 366.81,214.68 366.79,216.21 v1(366.67,217.34) ; 283.91,230.18 284.07,232.24 284.12,234.67 284.12,240.09 284.22,241.64 284.39,246.45 284.46,248.01 284.51,249.39 284.67,249.56 v1(284.67,250.14) ; v1(143.07,288.33) 142.94,288.46 v1(142.94,293.68) ; v1(141.8,204.69) 141.04,209.38 140.57,212.42 139.71,216.8 139.21,219.33 139.03,220.98 138.93,223.69 138.95,224.88 ; 92.52,86.27 90.51,87.75 89.15,88.71 87.92,89.47 86.85,90.04 v1(85.51,90.83) ; v1(174.88,115.61) 175.09,80.04 174.98,79.02 174.94,77.16 174.87,75.42 174.53,72.27 174.43,71.08 174.14,69.05 173.55,65.56 173.13,62.14 172.83,60.14 172.35,57.55 172.11,56.07 172.01,55.11 171.62,51.88 171.29,44.44 171.3,40.51 171.08,34.99 171,33.69 170.91,30.73 170.28,24.02 170.19,23.33 169.98,21.3 169.92,20.62 169.73,17.96 169.66,17.22 v1(169.45,16.51) ; v1(290.5,14.23) 290.43,14.21 ; v1(175.97,352.23) 175.97,355.92 v1(176,355.96) ; v1(215.6,318.06) 215.88,317.78 215.88,317.05 215.89,314.52 215.74,300.05 215.79,299.32 215.78,296.52 215.81,289.7 215.7,280.44 215.7,268.78 215.71,268.67 215.81,254.6 215.9,253.23 215.75,249.36 215.78,247.99 215.92,244.74 v1(216.39,243) ; 220.53,299.14 219.16,302.21 218.92,303.81 218.47,307.83 218.35,309.85 218.35,310.73 218.4,316.55 218.52,317.76 218.55,319.78 218.76,321.11 218.85,323.93 219.12,325.16 219.44,330.07 218.29,335.73 218.37,336.99 219.41,339.07 v1(219.91,340.17) ; 130.98,142.38 130.99,144.19 131.45,147.3 132.06,149.37 133.51,152.05 134.07,153.26 134.82,155.48 135.1,157.07 135.18,186.62 135.1,187.61 135.14,187.57 135.18,188.74 ; v1(82.61,56.56) 82.84,56.33 84.59,56.42 85.06,56.52 85.34,56.7 85.29,56.65 86.07,56.82 87.14,57.54 87.51,57.96 87.51,58.03 87.9,58.5 88.21,59.11 88.32,59.79 88.56,60.41 88.76,61.79 88.81,66.11 88.88,67.3 88.74,69.8 88.82,71.16 88.96,71.85 v1(88.93,72.24) ; v1(169.51,322.83) 168.78,321.96 168.24,320.1 168.04,318.71 168.04,317.52 167.89,308.84 167.92,306.44 167.75,295.21 167.81,294.3 167.7,292.27 167.72,290.86 167.73,285.1 167.62,280.72 167.72,262.83 167.75,261.81 167.8,258.66 167.7,254.33 167.81,230.17 167.72,226.38 167.87,220.68 167.89,217.59 167.84,209.09 167.89,202.64 167.89,196.8 167.92,194.89 168.06,165.61 167.93,160.73 168.29,158.15 168.63,156.46 169.74,153.88 170.47,152.44 170.64,145.84 170.31,143.85 169.83,141.84 169.2,139.25 168.9,137.9 168.32,135.19 168.18,133.43 168.01,118.41 168.07,115.58 168.26,113.81 168.88,111.17 169.43,109.69 170.1,108.18 170.45,106.96 170.6,103.34 170.63,102.6 170.74,80.14 170.25,78.64 169.16,76.28 168.5,74.36 168.34,69.7 v1(168.6,68.09) ; v1(330.91,262) 330.97,262.07 v1(330.97,265.33) ; v1(219.99,112.36) 219.61,112.88 219.51,115.42 219.9,116.85 220.35,118.17 220.55,121.35 220.66,130.07 220.46,132.3 219.83,148.72 219.74,150.18 v1(219.55,155.22) ; 101.8,117.43 102.04,115.89 102.75,111.11 102.75,108.42 102.79,107.92 103.1,87.15 102.65,79.43 102.65,78.36 102.46,77.69 102.35,77.1 101.91,75.2 101.64,74.19 101.29,72.96 101.39,71.34 102.22,69.28 102.9,68.75 v1(102.9,68.43) ; v1(181.02,158.9) 180.77,157.63 180.17,151.91 180.04,150.6 179.57,145.5 179.5,144.34 179.25,139.42 179.21,138.61 179.21,137.57 179.18,132.76 179.25,130.5 179.25,129.72 179.57,122.91 179.68,122.42 179.78,115.16 179.54,113.43 179.36,110.23 179.29,108.42 179.15,99.2 179.03,79.57 179.16,78.87 179.17,78.23 179.16,73.56 179.11,73.06 179.04,72.31 179.04,68.04 178.92,67.93 178.68,65.83 178.63,64.44 178.42,62.41 178.21,61.37 177.85,59.54 177.92,57.28 177.8,56.06 177.93,55.61 178.17,54.6 178.52,52.44 178.65,50.83 178.86,49.16 179.07,34.39 179.11,32.84 179.3,30.71 179.35,29.44 179.39,28.82 179.53,24.8 179.63,23.08 179.73,19.1 179.33,17.36 179.07,16.03 178.94,15.01 178.77,14.26 178.56,13.1 178.48,12.44 178.19,11.09 178.06,9.67 v1(177.8,9.04) ; 133.88,252.28 133.81,250.83 133.57,248.47 133.88,241.72 134.16,237.41 134.36,233.74 134.81,228.16 135.16,223.53 135.26,221.16 135.63,217.18 135.85,212.53 135.71,207.51 135.6,205.63 135.71,203.67 136.16,202.51 v1(136.92,201.55) ; v1(293.23,169.83) 293.26,169.87 v1(293.26,189.02) ; v1(175.14,118.68) 174.78,139.34 174.99,146.32 174.87,153.16 174.99,158.02 175.2,167.78 175.39,189.4 175.49,197.44 175.36,221.18 v1(175.82,221.63) ; v1(142.14,201.48) 142.47,201.02 142.54,198.89 142.24,193.64 142.21,189.09 142.27,188.46 142.49,181.4 142.33,179.03 142.28,177.85 142.06,176.8 141.91,174.57 140.69,169.44 140.18,166.33 139.92,165.32 139.64,163.13 139.52,160.49 139.15,157.15 138.72,152.48 138.27,151.45 138.13,143.65 138.12,141.64 138.01,140.16 137.74,138.23 137.65,136.69 137.27,133.67 136.72,129.98 136.42,128.71 136.26,127.16 136.1,125.77 136.12,125.47 v1(136.12,125.06) ; 176.05,159.21 175.99,157.82 175.93,157.21 175.85,156.08 175.93,153.79 176.03,152.13 176.05,151.71 175.89,140.71 175.97,138.08 175.87,131.98 175.86,130.42 175.86,125.97 175.87,125.44 176.02,123.31 176.09,123.12 176.33,120.65 176.54,119.84 176.46,115.96 176.31,114.44 176.06,106.67 ; 94.61,59.87 94.48,60.54 94.38,61.62 94.29,64.96 94.45,66.81 94.52,68.47 94.61,69.39 94.77,71.31 94.81,71.9 94.82,72.7 94.87,73.38 94.76,74.6 94.67,75.38 94.41,76.23 93.64,78.03 93.45,78.36 93.13,78.84 92.77,79.31 92.01,80.41 91.22,81.24 90.84,81.78 89.93,82.68 89.18,83.23 87.99,83.59 86.83,83.89 86.18,83.95 v1(85.3,84.47) ; 94.61,59.87 94.63,59.86 ; v1(366.8,233.81) 367.12,234.35 367.34,235.35 367.7,236.34 367.8,237.64 367.84,238.19 367.93,239.43 367.7,243.39 367.67,245.37 367.3,249.53 367.05,250.66 366.75,251.58 366.4,252.67 366.11,253.49 365.75,254.58 v1(365.41,255.18) ; 286.74,240.75 287.59,243.01 287.97,244.58 288.38,271.89 288.53,275.55 288.37,280.99 288.16,281.83 287.92,282.43 287.96,282.43 287.5,284.41 287.17,285.86 ; v1(291.63,331.64) 291.84,330.26 291.56,323.92 291.46,317.18 289.62,310.61 v1(287.81,306.32) ; v1(250.28,267.16) 250.45,267.64 250.73,269.52 250.74,269.88 251.02,272.5 251.12,273.53 251.4,276.74 251.51,277.9 251.6,280.52 251.65,280.57 251.65,284.75 251.66,285.79 251.46,288.35 251.41,289.09 v1(251.26,289.81) ; v1(332.57,231.11) 332.79,229.21 332.95,228.38 333.36,224.03 333.26,220.03 333.06,211.73 333.06,210.1 332.95,196.73 332.95,186.2 332.95,165.75 ; v1(294.04,226.84) 293.76,227.12 v1(293.76,231.18) 294.21,232.52 294.41,234.71 294.37,235.43 294.3,237.5 294.21,239.35 294.22,241.64 294.12,250.95 294.15,266.38 294.25,270.86 294.22,272.4 294.15,273.45 294.17,276.54 294.01,284.59 293.97,291.24 293.94,291.28 293.94,293.29 v1(293.86,293.37) ; 289.38,-3.14 289.35,-3.14 v1(289.3,-3.19) 289.25,-3.14 288.12,-2.94 287.64,-2.61 286.73,-1.43 286.14,1.34 v1(284.21,52.58) 284.12,53.57 284.34,55.37 284.85,59.05 285.01,71.66 284.43,124.97 284.48,125.5 284.48,136.03 284.58,137.67 284.55,142.79 284.58,145.19 284.55,157.81 284.42,158.5 284.02,165.81 283.7,168.92 283.7,174.13 283.11,178.53 283.05,179.84 ; v1(335.94,313.53) 335.98,313.56 v1(335.98,350.6) ; v1(182.41,230.18) 182.04,228.65 181.73,227.53 181.65,226.83 181.51,224.96 181.51,222.05 181.47,222.01 181.21,173.39 180.94,172.05 180.3,170.23 179.45,168.18 178.6,166.19 177.57,163.58 175.98,158.97 ; v1(133.04,59.4) 132.78,59.13 132.67,21.46 132.63,18.08 132.68,17.66 132.68,1.01 v1(132.69,1) ; 212.27,153.99 212.3,156.74 212.58,158.34 212.54,158.39 212.54,165.74 212.35,167.41 212.03,179.57 212.09,182.57 212.17,186.36 212.5,188.22 213.1,191.37 213.63,195.96 213.89,199.99 213.08,211.67 213.1,232.94 212.96,233.87 213.14,234.62 v1(213.24,237.9) ; v1(96,240.98) 96.23,240.98 96.59,241.79 97.4,243.45 97.59,244.58 97.59,246.12 97.47,247.85 97.02,249.81 96.81,250.94 94.75,253.6 94.66,253.69 94.66,256.48 94.61,256.53 94.61,258.16 94.66,258.2 94.66,260.25 94.41,261.58 94.19,263.44 93.81,265.01 93.68,265.69 93.73,265.74 93.73,267.69 93.77,267.9 93.88,274.36 93.79,275.76 93.92,278.53 ; 335.76,99.46 v1(335.49,97.16) ; v1(220.07,197.95) 219.79,194.94 219.7,194.06 219.09,189.14 218.7,186.34 217.46,180.52 216.75,177.26 215.88,172.73 ; 168.87,260.3 168.67,275.32 168.84,284.61 168.93,299.01 168.93,300.42 169.02,305.33 169.02,307.64 169.92,309.75 170.12,310.22 v1(170.62,311.52) ; v1(253.96,316.78) 254.03,315.9 254.16,315.22 254.16,306.44 v1(254.21,306.39) 253.85,305.14 253.62,303.9 253.49,300.15 253.42,298.99 253.47,298.09 253.69,296.12
  Top w0.2: 83.24,322.92 v1(83.3,322.97) 84.31,323.07 ; 88.97,323 88.96,323 v1(88.94,323.01) 88.93,323 87.98,323 ; v1(82.12,319.1) 92.28,319.1
  Top w0.25: 95.06,249.12 94.9,249.12 v1(94.88,249.1) 92.42,249.43 87.54,249 85.89,248.48 v1(86.01,248.48) 86.01,248.61 85.99,248.58 ; v1(92.19,309.02) 92.86,310.59 93.64,312.98 94.6,315.71 95.83,319.15 96.7,322.76 97.44,325.63 v1(98.44,330.65) ; 92.38,330.54 92.33,330.59 v2(92.28,330.59) v2(85.88,330.59) 86.03,330.59 ; 169.58,336.34 v2(169.58,336.29) v2(169.53,342.04) 169.58,341.99 ; v2(137.78,355.94) 137.93,355.04 138.18,353.44 ; v2(134.98,151.29) 135.63,153.19 135.93,154.34 136.43,160.54 136.43,163.24 136.33,174.39 138.63,186.64 138.48,196.39 138.68,199.54 139.28,201.24 139.93,202.69 140.18,204.49 139.83,207.79 139.53,211.04 139.28,211.89 138.53,218.24 138.18,220.09 138.03,228.49 137.98,229.79 137.63,232.44 136.83,235.99 136.98,242.54 136.93,244.94 136.78,247.54 136.83,251.44 137.33,254.94 137.28,256.44 136.93,259.14 136.93,262.69 137.23,266.69 137.58,269.69 138.33,283.39 138.43,285.84 138.83,306.74 138.93,315.84 139.03,321.79 139.78,327.79 139.63,332.34 138.73,337.84 138.53,349.69 138.18,353.44 ; 138.18,353.44 138.18,353.29 ; 85.45,240.95 85.4,240.95 v1(85.4,241) 85.5,240.95 87.86,242.08 v1(89.77,243.09) 89.58,242.93 ; 84.31,323.07 87.98,323 ; v1(89.15,245.37) 88.52,244.63 86.32,243.53 v1(85.5,243.35) ; v1(85.55,245.98) 88.4,247.51 90.74,247.18 94.88,246.61 v1(94.88,246.54) 94.94,246.54 94.97,246.52 ; v2(92.28,326.69) 92.08,326.89 v2(84.53,326.84) 84.48,326.89 ; v1(82.97,234.89) 84.2,235.35 89.33,239.29 93.7,242.99 v1(94.75,243.84) 94.79,243.74 ; v2(86.53,334.54) 92.23,334.54 v2(92.28,334.49) 92.33,334.44 ; v1(103.64,335.64) 103.12,333.98 101.94,330.29 100.92,326.53 100.57,325.46 100.31,324.35 99.85,322.5 99.24,319.83 v1(98.57,315.41)
  vias: v1(80.97,344.48) v1(98.56,308.93) v1(99.91,279.62) v1(100.05,265.78) v1(102.34,297.51) v1(102.42,283.46) v1(106.2,329.25) v1(106.25,315.34) v1(131.21,69.62) v1(132.11,326.64) v1(134.44,69.62) v1(136.99,328.84) v1(177.78,288.49) v1(213.68,147.28) v1(215.28,203.5) v1(217.49,-6.83) v1(222.62,25.45) v1(253.01,13.18) v1(290.38,263.09) v1(308.88,340.41) v1(331.01,340.48) v1(333.03,165.66) v1(338.48,345.37) v1(365.72,289.15) v2(81.33,180.39)
